# Altium PCB SDR.PcbDoc (part 1 of 5) (continued)
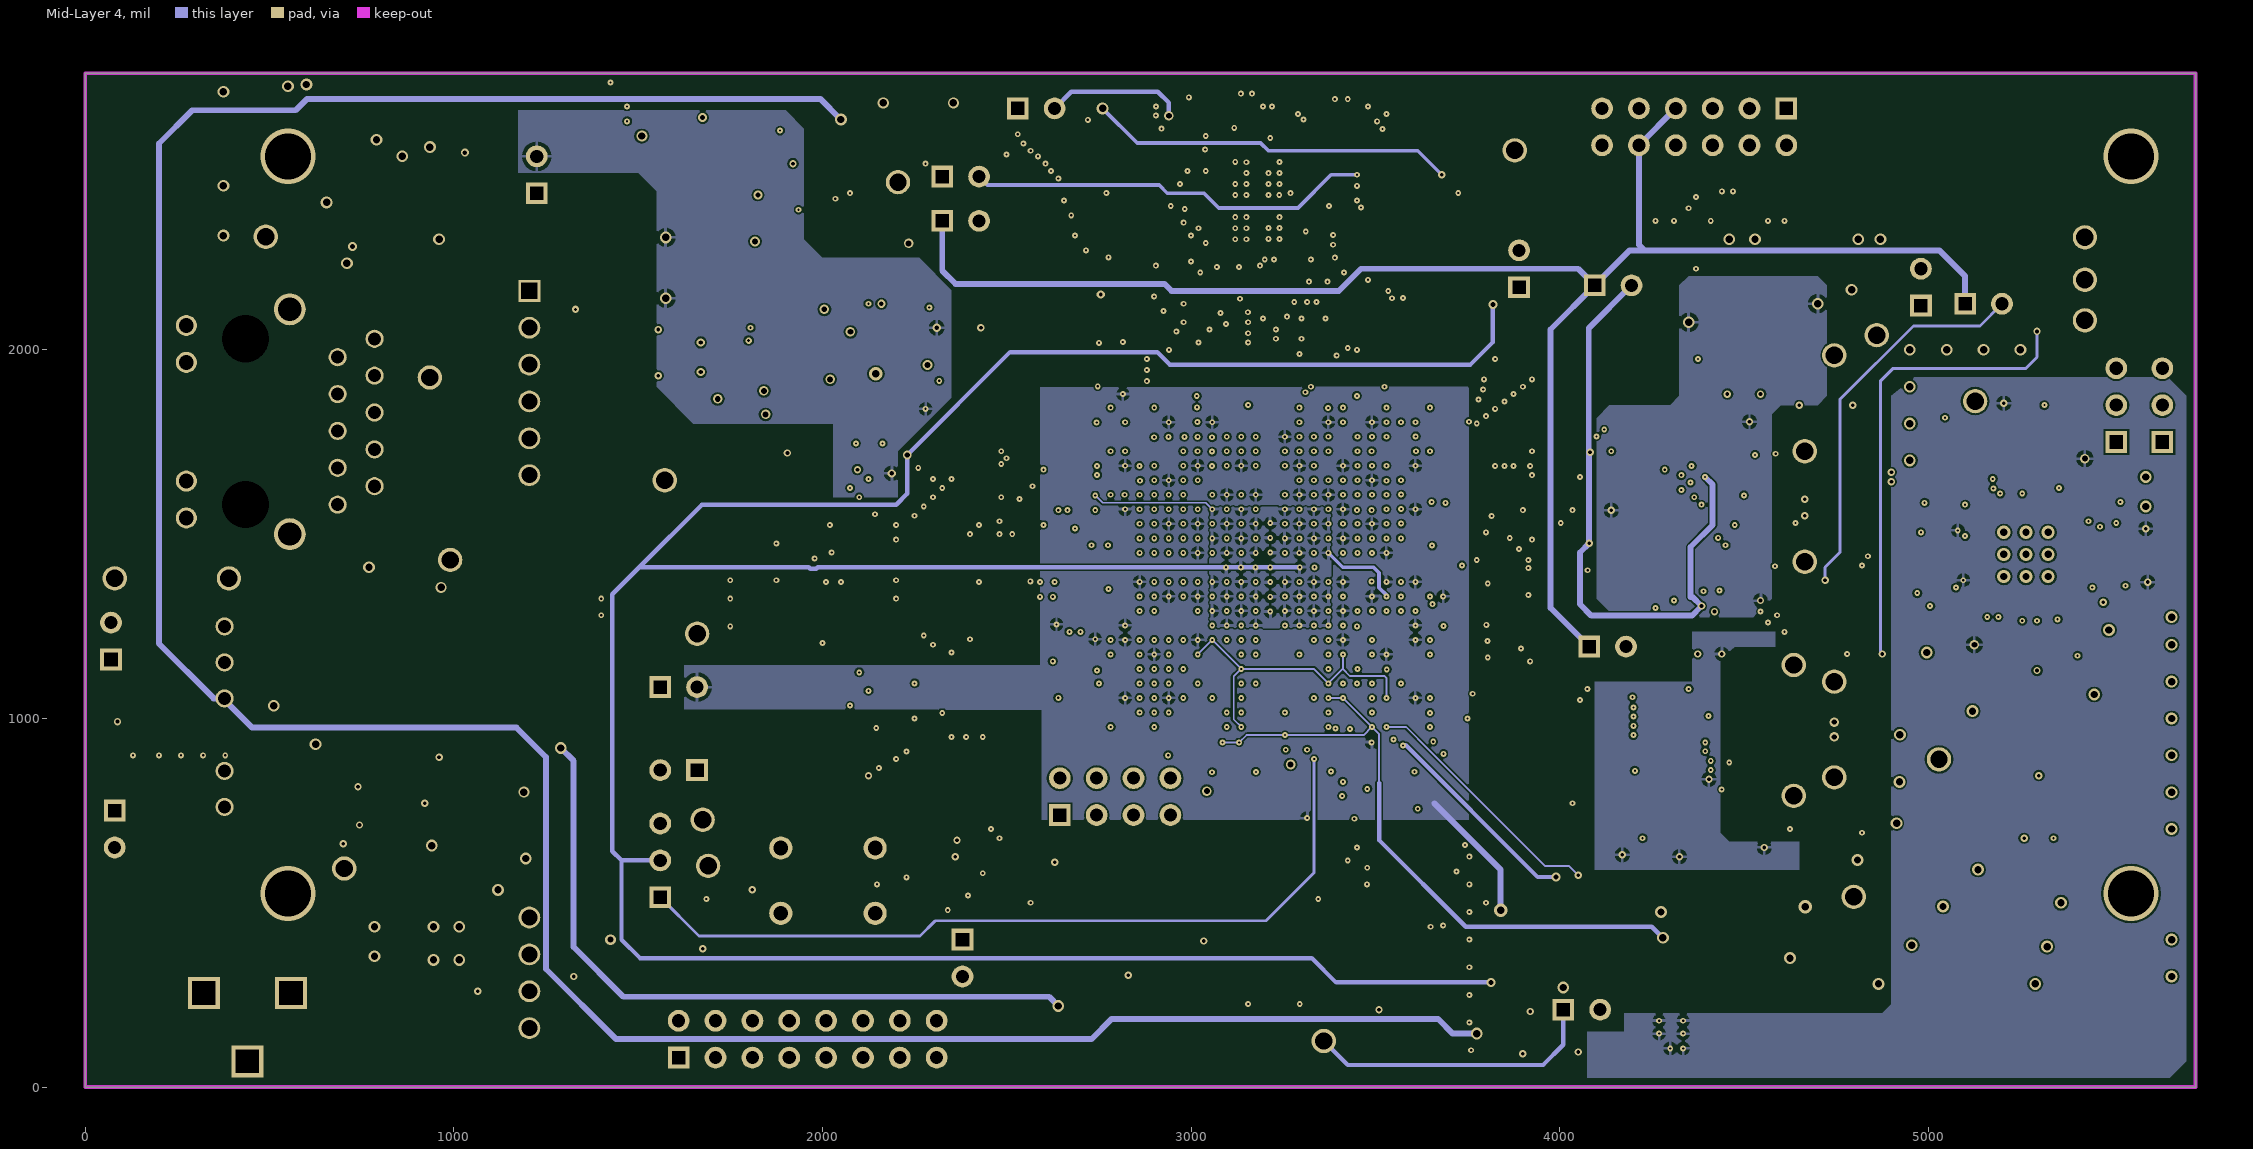
[diagram p5: Mid-Layer 4]

## Layer stack, top to bottom
Top Layer: signal copper 1.6
Dielectric: prepreg 6.68, FR-4, Dk 3.65
Mid-Layer 1: signal copper 1.2
Dielectric: core 14, FR-4, Dk 4.5
Mid-Layer 2: signal copper 1.2
Dielectric: prepreg 8.9, FR-4, Dk 4.02
Mid-Layer 3: signal copper 1.2
Dielectric: core 14, FR-4, Dk 4.5
Mid-Layer 4: signal copper 1.2
Dielectric: prepreg 6.68, FR-4, Dk 3.65
Bottom Layer: signal copper 1.6

## Board outline
0,2750 0,0 5725,0 5725,2750

## Design rules (kind name [scope] priority, off if disabled: settings)
Clearance "Clearance~Sunstone Circuits" [All] p1: gap=5 // Sunstone Circuits Minimum Clearance Rule (MLB~4&6 Layer Designs)
DiffPairsRouting DiffPair_Ethernet_TXDiffPairsRouting [InDifferentialPair ('TD')] p1: maxlimit=10 minlimit=10 mostfreqgap=10 maxuncoupledlength=500
DiffPairsRouting DiffPair_EthernetDiffPairsRouting [InDifferentialPair ('RD')] p2: maxlimit=10 minlimit=10 mostfreqgap=10 maxuncoupledlength=500
DiffPairsRouting DiffPair_ADC_RXDiffPairsRouting [InDifferentialPair ('ADC_RX_Q') Or InDifferentialPair ('ADC_RX_I')] p3: maxlimit=10 minlimit=10 mostfreqgap=10 maxuncoupledlength=500
DiffPairsRouting DiffPair_DAC_TXDiffPairsRouting [InDifferentialPair ('RF_TX_Q') Or InDifferentialPair ('RF_TX_I')] p4: maxlimit=10 minlimit=10 mostfreqgap=10 maxuncoupledlength=500
DiffPairsRouting DiffPair_DAC_biasDiffPairsRouting [InDifferentialPair ('RF_TX_I_BIAS') Or InDifferentialPair ('RF_TX_Q_BIAS')] p5: maxlimit=10 minlimit=10 mostfreqgap=10 maxuncoupledlength=500
DiffPairsRouting [(InDifferentialPairClass('All Differential Pairs'))] p6: maxlimit=10 minlimit=10 mostfreqgap=10 maxuncoupledlength=500
HoleSize "HoleSize~Sunstone Circuits" [All] p1: absolutevalues=TRUE maxlimit=251 minlimit=6 maxpercent=80.000 minpercent=20.000 // Sunstone Circuits Hole Size Rule (MLB~4&6 Layer Designs)
HoleSize Testpoint [All] p2: absolutevalues=TRUE maxlimit=100 minlimit=1 maxpercent=80.000 minpercent=20.000
HoleSize TestPointUsage [All] p3: absolutevalues=TRUE maxlimit=100 minlimit=1 maxpercent=80.000 minpercent=20.000
Length [All] p1: maxlimit=100000 minlimit=0
MatchedLengths DiffPair_Ethernet_TXMatchedLengths [InDifferentialPair ('TD')] p1: tolerance=10 checknetsindiffpair=TRUE checkdiffpairvsdiffpair=FALSE checkothers=FALSE
MatchedLengths DiffPair_EthernetMatchedLengths [InDifferentialPair ('RD')] p2: tolerance=10 checknetsindiffpair=TRUE checkdiffpairvsdiffpair=FALSE checkothers=FALSE
MatchedLengths DiffPair_ADC_RXMatchedLengths [InDifferentialPair ('ADC_RX_Q') Or InDifferentialPair ('ADC_RX_I')] p3: tolerance=5 checknetsindiffpair=TRUE checkdiffpairvsdiffpair=TRUE checkothers=TRUE
MatchedLengths DiffPair_DAC_TXMatchedLengths [InDifferentialPair ('RF_TX_Q') Or InDifferentialPair ('RF_TX_I')] p4 off: tolerance=5 checknetsindiffpair=TRUE checkdiffpairvsdiffpair=TRUE checkothers=TRUE
MatchedLengths DiffPair_DAC_biasMatchedLengths [InDifferentialPair ('RF_TX_I_BIAS') Or InDifferentialPair ('RF_TX_Q_BIAS')] p5 off: tolerance=5 checknetsindiffpair=TRUE checkdiffpairvsdiffpair=TRUE checkothers=TRUE
MaxMinImpedance [InNet('RF_RX_ALT') OR InNet('RF_TX_ALT') OR InNet('RF_SW_UB')] p1: minimum=45.00 maximum=55.00
MinimumAnnularRing "MinimumAnnularRing~Sunstone Circuits" [All] p1: minimumring=5 // Sunstone Circuits Minimum Annular Ring (MLB~4&6 Layer Designs)
MinimumSolderMaskSliver [All] p1 off: minsoldermaskwidth=5
PlaneClearance "PlaneClearance~Sunstone Circuits" [All] p1: clearance=12 // Sunstone Circuits Power Plane Clearance Rule (MLB~4&6 Layer Designs)
PlaneConnect "PlaneConnect~Sunstone Circuits" [All] p1: planeconnectstyle=Relief reliefexpansion=10 reliefentries=4 reliefconductorwidth=8 reliefairgap=10 // Sunstone Circuits Power Plane Connect Rule (MLB~4&6 Layer Designs)
PolygonConnect "PolygonConnect~Sunstone Circuits" [All] p1: connectstyle=Relief reliefconductorwidth=8 reliefentries=4 polygonreliefangle="90 Angle" airgapwidth=10 // Sunstone Circuits Polygon Connect Style (MLB~4&6 Layer Designs)
RoomDefinition U_RTC [InComponentClass('U_RTC')] p1 off: confinementstyle=ConfineIn formatcopy=TRUE lockcomponents=FALSE outline 1600.1,1170.4 1600.1,1290 1719.9,1290 1719.9,1197.2 2428.31,1197.2 2428.31,687.4 5325.75,687.4 5325.75,592.6 4153.46,592.6 4153.46,12.91 4066.54,12.91 4066.54,161.54 3782.91,161.54 1872.28,161.54 1872.28,702.8 1872.28,1170.4
RoomDefinition U_RF_2 [InComponentClass('U_RF_2')] p2 off: confinementstyle=ConfineIn formatcopy=TRUE lockcomponents=FALSE outline 3782.91,161.54 3782.91,248.46 3946.06,248.46 3946.06,273.94 4552.6,273.94 4552.6,1350.75 4619.88,1350.75 4619.88,1370.94 4759.96,1370.94 4759.96,1222.4 5400.75,1222.4 5400.75,1119.37 5411.31,1119.37 5411.31,995.75 5452.4,995.75 5452.4,236.03 5699.69,236.03 5699.69,-264.33 4400.31,-264.33 4400.31,12.91 4066.54,12.91 4066.54,64.25 3927.6,64.25 3927.6,161.54
RoomDefinition U_PWR_Gen [InComponentClass('U_PWR_Gen')] p3 off: confinementstyle=ConfineIn formatcopy=TRUE lockcomponents=FALSE outline 0.79,1006.38 0.79,1073.62 6.06,1073.62 6.06,1323.94 330.4,1323.94 330.4,1439.9 595.79,1439.9 595.79,2363.62 1926.54,2363.62 1926.54,2707.09 2013.46,2707.09 2013.46,2695.75 2332.4,2695.75 2332.4,2657.09 2398.46,2657.09 2398.46,2627.4 2500.75,2627.4 2500.75,2601 3937.9,2601 3937.9,2333.94 3953.94,2333.94 3953.94,2283.94 5043.94,2283.94 5043.94,1921 5186.9,1921 5186.9,1801.4 5088.9,1801.4 5088.9,829.4 4857.9,829.4 4857.9,456.4 4022.4,456.4 4022.4,64.25 3990.71,64.25 3990.71,13.07 624.29,13.07 624.29,3.78 1.35,3.78 1.35,1006.38
RoomDefinition U_ACE [InComponentClass('U_ACE')] p4 off: confinementstyle=ConfineIn formatcopy=TRUE lockcomponents=FALSE outline 3056.54,722.91 3056.54,857.09 3389.25,857.09 3389.25,1952.4 3389.25,2067.4 3474.25,2067.4 3531.54,2067.4 3531.54,2102.09 3618.46,2102.09 3618.46,2072.4 3665.75,2072.4 3665.75,1977.6 3618.46,1977.6 3618.46,1967.91 3440.75,1967.91 3440.75,1857.6 3403.46,1857.6 3403.46,722.91
RoomDefinition U_ADC [InComponentClass('U_ADC')] p5 off: confinementstyle=ConfineIn formatcopy=TRUE lockcomponents=FALSE outline 4031.06,2111.06 4031.06,2238.94 4249.25,2238.94 4249.25,2282.4 4350.75,2282.4 4350.75,2252.4 4715.75,2252.4 4715.75,2153.74 4730.71,2153.74 4730.71,2099.9 4919.6,2099.9 4919.6,1980.1 4855.75,1980.1 4855.75,1852.6 4822.4,1852.6 4822.4,1439.25 4740.75,1439.25 4740.75,697.6 4689.25,697.6 4689.25,1252.6 4434.25,1252.6 4434.25,1360.28 4180.28,1360.28 4180.28,1489.25 4057.6,1489.25 4057.6,1549.25 4042.6,1549.25 4042.6,2111.06
RoomDefinition U_usb_uart [InComponentClass('U_usb_uart')] p6 off: confinementstyle=ConfineIn formatcopy=TRUE lockcomponents=FALSE outline -1.06,2257.75 -1.06,2752.25 353.74,2752.25 353.74,2748.62 539.21,2748.62 539.21,2737.09 738.46,2737.09 738.46,2733.98 1164.57,2733.98 1164.57,825.75 1182.4,825.75 1182.4,774.25 1052.4,774.25 1052.4,744.25 957.6,744.25 957.6,2244.25 747.6,2244.25 747.6,2257.75
RoomDefinition U_RF [InComponentClass('U_RF')] p7 off: confinementstyle=ConfineIn formatcopy=TRUE lockcomponents=FALSE outline 4742.6,1304.25 4742.6,1405.75 4882.6,1405.75 4882.6,1510.75 4982.6,1510.75 4982.6,1530.75 4997.6,1530.75 4997.6,1610.75 5017.6,1610.75 5017.6,1800.75 5037.5,1800.75 5037.5,2187.5 5165.79,2187.5 5165.79,2248.62 5217.91,2248.62 5217.91,2338.46 5365.1,2338.46 5365.1,2365 5484.9,2365 5484.9,2012.5 5697.5,2012.5 5697.5,1687.5 5682.4,1687.5 5682.4,1389.25 5582.4,1389.25 5582.4,1304.25 5470.75,1304.25 5470.75,1237.6 5460.75,1237.6 5460.75,1142.6 5343.46,1142.6 5343.46,867.91 5256.54,867.91 5256.54,1149.25 5227.6,1149.25 5227.6,1229.25 5057.6,1229.25 5057.6,1289.25 5007.6,1289.25 5007.6,1304.25
RoomDefinition U_MSS_IO [InComponentClass('U_MSS_IO')] p8 off: confinementstyle=ConfineIn formatcopy=TRUE lockcomponents=FALSE outline 1630.1,540.4 1630.1,660 1842.55,660 1842.55,693.08 2581.5,693.08 2581.5,900.5 3677.6,900.5 3677.6,1410.75 3677.6,3056.23 4052.5,3056.23 4677.5,3056.23 4677.5,2472.4 4690.75,2472.4 4690.75,2377.6 3802.4,2377.6 3802.4,1304.25 3802.4,762.6 3335.75,762.6 3006.5,762.6 3006.5,675.5 2257.4,675.5 2257.4,574.25 2187.45,574.25 2187.45,426.92 1842.55,426.92 1842.55,540.4
RoomDefinition U_MEM [InComponentClass('U_MEM')] p9 off: confinementstyle=ConfineIn formatcopy=TRUE lockcomponents=FALSE outline 2261.06,2286.06 2261.06,2533.94 2466.06,2533.94 2466.06,2718.94 2692.6,2718.94 2692.6,2720.75 2768.9,2720.75 2768.9,2734.37 3651.1,2734.37 3651.1,2121.85 2768.9,2121.85 2768.9,2152.6 2729.25,2152.6 2729.25,2286.06
RoomDefinition U_Fabric_IO [InComponentClass('U_Fabric_IO')] p10 off: confinementstyle=ConfineIn formatcopy=TRUE lockcomponents=FALSE outline 1492,16.06 1492,243.94 1849.25,243.94 1849.25,597.4 2437.83,597.4 2437.83,598.27 2447.6,598.27 2447.6,635.75 3032.6,635.75 3032.6,645.75 3515.79,645.75 3515.79,658.62 3634.21,658.62 3634.21,650.75 3747.4,650.75 3747.4,149.25 3634.21,149.25 3634.21,66.38 3197.4,66.38 3197.4,59.25 2462.98,59.25 2462.98,16.06
RoomDefinition U_Ethernet [InComponentClass('U_Ethernet')] p11 off: confinementstyle=ConfineIn formatcopy=TRUE lockcomponents=FALSE outline -8.74,1443.77 -8.74,2166.23 756.93,2166.23 756.93,2245.87 1161.06,2245.87 1161.06,2588.94 1444.25,2588.94 1444.25,2607.72 1532.6,2607.72 1532.6,2675.75 1627.4,2675.75 1627.4,2657.64 1805.05,2657.64 1805.05,2580.75 1912.4,2580.75 1912.4,2578.35 2157.4,2578.35 2157.4,2285.75 2262.4,2285.75 2262.4,2234.72 2269.72,2234.72 2269.72,2120.75 2422.4,2120.75 2422.4,908.25 4087.4,908.25 4087.4,830.75 4102.4,830.75 4102.4,779.25 3747.4,779.25 3747.4,374.25 1495.59,374.25 1495.59,11.14 1067.76,11.14 1067.76,6.09 632.24,6.09 632.24,1310.79 201.38,1310.79 201.38,1320.4 20.1,1320.4 20.1,1443.77
RoomDefinition U_Digital_PWR [InComponentClass('U_Digital_PWR')] p12 off: confinementstyle=ConfineIn formatcopy=TRUE lockcomponents=FALSE outline 1496.06,1021.06 1496.06,1148.94 2289.25,1148.94 2289.25,1757.4 2341.54,1757.4 2341.54,1797.09 2710.91,1797.09 2710.91,1914.09 2789.25,1914.09 2789.25,1992.4 2999.25,1992.4 2999.25,1997.4 2999.25,2333.62 4620.79,2333.62 4739.21,2333.62 4739.21,2266.38 4250.75,2266.38 4250.75,287.6 4148.46,287.6 4148.46,267.91 4061.54,267.91 4061.54,331.38 3890.79,331.38 3890.79,757.6 3339.25,757.6 3339.25,822.6 3104.25,822.6 3104.25,832.6 3064.25,832.6 3064.25,867.6 3034.25,867.6 3034.25,872.6 2949.25,872.6 2949.25,905.91 2710.91,905.91 2710.91,1021.06
RoomDefinition U_DAC [InComponentClass('U_DAC')] p13 off: confinementstyle=ConfineIn formatcopy=TRUE lockcomponents=FALSE outline 2049.25,2292.6 2049.25,2387.4 2100.75,2387.4 4243.94,2387.4 4243.94,1258.94 4243.94,1248.62 4469.21,1248.62 4469.21,1247.4 4590.75,1247.4 4590.75,1204.9 4695,1204.9 4695,1159.9 4805,1159.9 4805,1090.75 4872.4,1090.75 4872.4,792.4 4880.75,792.4 4880.75,697.6 4810.75,697.6 4745.87,697.6 4745.87,501.26 4574.29,501.26 4574.29,557.6 4529.25,557.6 4529.25,602.6 4114.25,602.6 4114.25,676.34 4085.39,676.34 4085.39,779.25 4007.6,779.25 4007.6,856.75 3992.6,856.75 3992.6,2292.6
RoomDefinition U_Analog [InComponentClass('U_Analog')] p14 off: confinementstyle=ConfineIn formatcopy=TRUE lockcomponents=FALSE outline 2639.25,1237.6 2639.25,1332.4 4057.6,1332.4 4057.6,1540.75 4152.4,1540.75 4152.4,813.23 4577.92,813.23 4577.92,0.94 3342.08,0.94 3342.08,1237.6
RoutingVias "RoutingVias~Sunstone Circuits" [All] p1: holewidth=6 width=16 viastyle="Through Hole" minholewidth=6 minwidth=16 maxholewidth=20 maxwidth=32 // Sunstone Circuits Routing Vias Rule (MLB~4&6 Layer Designs)
ShortCircuit "ShortCircuit~Sunstone Circuits" [All] p1: allowed=FALSE // Sunstone Circuits Short Circuit Rule~Do Not Allow (MLB~4&6 Layer Designs)
SilkscreenOverComponentPads [All] p1 off: minsilkscreentomaskgap=10
SolderMaskExpansion "Test Point" [(InNet('LD') OR InNet('CLKOUT') or InNet('NRESET'))] p1 off: expansion=3
SolderMaskExpansion "tented vias" [IsVia] p2: expansion=-20 // Sunstone Circuits Solder Mask Expansion Rule (MLB~4&6 Layer Designs)
SolderMaskExpansion "SolderMaskExpansion~Sunstone Circuits" [All] p3: expansion=3 // Sunstone Circuits Solder Mask Expansion Rule (MLB~4&6 Layer Designs)
ViasUnderSMD "ViasUnderSMD~Sunstone Circuits" [All] p1: allowed=FALSE // Sunstone Circuits Vias Under SMD~Do Not Allow (MLB~4&6 Layer Designs)
Width 50ohm [(InNet('RF_RX_ALT') OR InNet('RF_TX_ALT') OR InNet('RF_SW_UB'))] p1: maxlimit=12.4 minlimit=10 preferedwidth=10 toplayer_minwidth=11.4 toplayer_prefwidth=11.9 midlayer1_maxwidth=10 midlayer2_maxwidth=10 midlayer3_maxwidth=10 midlayer4_maxwidth=10 bottomlayer_minwidth=11.4 bottomlayer_prefwidth=11.9 impedancedriven=TRUE minimp=45.000000 maximp=55.000000 favimp=50.000000 checkconnectedcopper=TRUE
Width DiffPair_Ethernet_TXWidth [InDifferentialPair('TD')] p2: maxlimit=10 minlimit=8 preferedwidth=8
Width DiffPair_EthernetWidth [InDifferentialPair('RD')] p3: maxlimit=10 minlimit=8 preferedwidth=10 toplayer_prefwidth=8 midlayer1_minwidth=10 midlayer2_minwidth=10 midlayer3_minwidth=10 midlayer4_minwidth=10 bottomlayer_minwidth=10 minimp=50.000000 maximp=50.000000 favimp=50.000000
Width DiffPair_ADC_RXWidth [InDifferentialPair('ADC_RX_Q') Or InDifferentialPair('ADC_RX_I')] p4: maxlimit=10 minlimit=10 preferedwidth=10
Width DiffPair_DAC_TXWidth [InDifferentialPair('RF_TX_Q') Or InDifferentialPair('RF_TX_I')] p5: maxlimit=10 minlimit=10 preferedwidth=10
Width DiffPair_DAC_biasWidth [InDifferentialPair('RF_TX_I_BIAS') Or InDifferentialPair('RF_TX_Q_BIAS')] p6: maxlimit=10 minlimit=10 preferedwidth=10
Width "Width~Sunstone Circuits" [All] p7: maxlimit=100 minlimit=5 preferedwidth=5 // Sunstone Circuits Minimum Width Rule (MLB~4&6 Layer Designs)
21 further rules are at their usual default settings.

## Classes and differential pairs
net class B[1..7]: B1 B2 B3 B4 B5 B6 B7
component class U_RTC: C189 C190 C191 J34 U22
component class U_RF_2: C181 C182 C183 C184 C185 C186 C187 C188 FB12 J31 J32 J33 P21 R93 R94 R95 U18 U19 U20 U21
component class U_PWR_Gen: C150 C151 C152 C153 C154 C155 C156 C157 C158 C159 C160 C161 C162 C163 C164 C165 C166 C167 C168 C169 C170 C171 C172 C173 C174 C175 C176 C177 C178 C179 C180 D10 FB11 J18 J19 J20 J21 J22 J23 J24 J25 J26 J27 J28 J29 J30 L4 P14 P15 P16 P17 P18 P19 P20 Q1 Q2 R87 R88 R89 R90 R91 R92 SW6 U13 U14 U15 U16 U17
net class EMC_DB[15..0]: EMC_DB0 EMC_DB1 EMC_DB2 EMC_DB3 EMC_DB4 EMC_DB5 EMC_DB6 EMC_DB7 EMC_DB8 EMC_DB9 EMC_DB10 EMC_DB11 EMC_DB12 EMC_DB13 EMC_DB14 EMC_DB15
net class EMC_AB[23..1]: EMC_AB1 EMC_AB2 EMC_AB3 EMC_AB4 EMC_AB5 EMC_AB6 EMC_AB7 EMC_AB8 EMC_AB9 EMC_AB10 EMC_AB11 EMC_AB12 EMC_AB13 EMC_AB14 EMC_AB15 EMC_AB16 EMC_AB17 EMC_AB18 EMC_AB19 EMC_AB20 EMC_AB21 EMC_AB22 EMC_AB23
net class DAC_D[0..7]: DAC_D0 DAC_D1 DAC_D2 DAC_D3 DAC_D4 DAC_D5 DAC_D6 DAC_D7
net class ADC_B[0..7]: ADC_B0 ADC_B1 ADC_B2 ADC_B3 ADC_B4 ADC_B5 ADC_B6 ADC_B7
net class ADC_A[0..7]: ADC_A0 ADC_A1 ADC_A2 ADC_A3 ADC_A4 ADC_A5 ADC_A6 ADC_A7
component class U_usb_uart: C142 C143 C144 C145 C146 C147 C148 C149 D9 FB10 J17 R84 R85 R86 U12
component class U_RF: C116 C117 C118 C119 C120 C121 C122 C123 C124 C125 C126 C127 C128 C129 C130 C131 C132 C133 C134 C135 C136 C137 C138 C139 C140 C141 FB9 J14 J15 J16 P11 P12 P13 R76 R77 R78 R79 R80 R81 R82 R83 U10 U11 Y3
component class U_MSS_IO: C112 C113 C114 C115 J13 P9 P10 R67 R68 R69 R70 R71 R72 R73 R74 R75 SW5
component class U_MEM: C1 C2 C3 C4 P1 P2 P3 R1 U2 U3
component class U_Fabric_IO: D1 D2 D3 D4 D5 D6 D7 D8 P8 R55 R56 R57 R58 R59 R60 R61 R62 R63 R64 R65 R66 SW1 SW2 SW3 SW4
component class U_Ethernet: C90 C91 C92 C93 C94 C95 C96 C97 C98 C99 C100 C101 C102 C103 C104 C105 C106 C107 C108 C109 C110 C111 FB6 FB7 FB8 J10 J11 J12 M1 P7 R19 R20 R21 R22 R23 R24 R25 R26 R27 R28 R29 R30 R31 R32 R33 R34 R35 R36 R37 R38 R39 R40 R41 R42 R43 R44 R45 R46 R47 R48 R49 R50 R51 R52 R53 R54 U8 U9 Y2
component class U_Digital_PWR: C5 C6 C7 C8 C9 C10 C11 C12 C13 C14 C15 C16 C17 C18 C19 C20 C21 C22 C23 C24 C25 C26 C27 C28 C29 C30 C31 C32 C33 C34 C35 C36 C37 C38 C39 C40 C41 C42 C43 C44 C45 C46 FB1 FB2 FB3 L1 P4 U1
component class U_DAC: C75 C76 C77 C78 C79 C80 C81 C82 C83 C84 C85 C86 C87 C88 C89 FB5 J6 J7 J8 J9 P6 R11 R12 R13 R14 R15 R16 R17 R18 U6 U7
component class U_Analog: C71 C72 C73 C74 J5 L3 Y1
component class U_ADC: C54 C55 C56 C57 C58 C59 C60 C61 C62 C63 C64 C65 C66 C67 C68 C69 C70 FB4 J1 J2 J3 J4 P5 R2 R3 R4 R5 R6 R7 R8 R9 R10 U4 U5
component class U_ACE: C47 C48 C49 C50 C51 C52 C53 L2
differential pair USB_D: +USB_D_P -USB_D_N
differential pair RF_TX_Q: +RF_TX_Q_P -RF_TX_Q_N
differential pair RF_TX_Q_BIAS: +RF_TX_Q_BIAS_P -RF_TX_Q_BIAS_N
differential pair RF_TX_I: +RF_TX_I_P -RF_TX_I_N
differential pair RF_TX_I_BIAS: +RF_TX_I_BIAS_P -RF_TX_I_BIAS_N
differential pair ADC_RX_Q: +ADC_RX_Q_P -ADC_RX_Q_N
differential pair ADC_RX_Q_BIAS: +ADC_RX_Q_BIAS_P -ADC_RX_Q_BIAS_N
differential pair ADC_RX_I: +ADC_RX_I_P -ADC_RX_I_N
differential pair ADC_RX_I_BIAS: +ADC_RX_I_BIAS_P -ADC_RX_I_BIAS_N
differential pair TD: +TD_P -TD_N
differential pair RD: +RD_P -RD_N
differential pair RXRF: +RXRF_P -RXRF_N
differential pair TXRF_C: +TXRF_C_P -TXRF_C_N
differential pair TXRF: +TXRF_P -TXRF_N

## Components (designator, comment, footprint, x,y, rotation, side; value= is the part's Value field where it differs from the comment)
C1 "0.1uF" 0402 2755,2200 r90 top
C2 "0.1uF" 0402 2740,2695 r0 top
C3 "0.1uF" 0402 3370,2450 r90 bottom
C4 "0.1uF" 0402 2970,2420 r0 bottom
C5 "100pF" 0402 4225,335 r90 top
C6 "0.1uF" 0402 4175,335 r90 top
C7 "10uF" C0805 4105,335 r270 top
C8 "10uF" C0805 2385,1730 r90 bottom
C9 "0.1uF" 0402 2455,1710 r270 bottom
C10 "100pF" 0402 2745,1740 r270 bottom
C11 "100pF" 0402 4175,480 r90 top
C12 "0.1uF" 0402 4225,480 r90 top
C13 "10uF" C0805 4105,480 r270 top
C14 "0.1uF" 0402 2665,1720 r0 top
C15 "0.1uF" 0402 2975,920 r90 bottom
C16 "0.1uF" 0402 2680,1185 r0 top
C17 "0.1uF" 0402 2710,1055 r0 bottom
C18 "0.1uF" 0402 2815,1945 r270 top
C19 "0.1uF" 0402 3245,1930 r270 bottom
C20 "0.1uF" 0402 3744,1035 r180 bottom
C21 "0.1uF" 0402 3750,1210 r180 top
C22 "0.1uF" 0402 3745,1165 r180 top
C23 "0.1uF" 0402 3490,875 r90 top
C24 "0.1uF" 0402 2585,1255 r0 top
C25 "0.1uF" 0402 2680,1645 r0 top
C26 "0.1uF" 0402 2690,1370 r0 bottom
C27 "0.1uF" 0402 2680,1155 r0 bottom
C28 "0.1uF" 0402 3075,1950 r270 top
C29 "0.1uF" 0402 3595,1900 r180 bottom
C30 "0.1uF" 0402 3745,1685 r180 top
C31 "0.1uF" 0402 3750,1555 r180 top
C32 "0.1uF" 0402 3060,915 r90 bottom
C33 "0.1uF" 0402 3155,915 r90 bottom
C34 "0.1uF" 0402 3205,915 r90 bottom
C35 "0.1uF" 0402 3380,915 r90 bottom
C36 "0.1uF" 0402 2680,1605 r0 top
C37 "0.1uF" 0402 3025,1950 r270 top
C38 "0.1uF" 0402 3755,1255 r180 top
C39 "0.1uF" 0402 3130,870 r90 top
C40 "0.1uF" 0402 3530,875 r90 top
C41 "0.1uF" 0402 3090,880 r90 top
C42 "0.1uF" 0402 3285,935 r90 bottom
C43 "0.1uF" 0402 3575,875 r90 top
C44 "0.1uF" 0402 3020,920 r90 bottom
C45 "0.1uF" 0402 3365,805 r90 top
C46 "0.1uF" 0402 3450,910 r90 bottom
C47 "10uF" C0805 3100,790 r270 bottom
C48 "10uF" C0805 3190,790 r270 top
C49 "10uF" C0805 3360,790 r270 bottom
C50 "100pF" 0402 3415,1905 r270 bottom
C51 "0.1uF" 0402 3500,2020 r270 bottom
C52 "10uF" C0805 3575,2035 r90 bottom
C53 "10uF" C0805 3250,790 r270 bottom
C54 "100pF" 0402 4275,2235 r270 top
C55 "0.1uF" 0402 4325,2235 r270 top
C56 "100pF" 0402 4450,2135 r180 bottom
C57 "0.1uF" 0402 4450,2185 r180 bottom
C58 "0.1uF" 0402 4690,2205 r270 bottom
C59 "0.1uF" 0402 4460,1300 r270 top
C60 "0.1uF" 0402 4515,1300 r90 top
C61 "0.1uF" 0402 4500,2005 r0 bottom
C62 "0.01uF" 0402 4775,1465 r180 top
C63 "0.01uF" 0402 4775,1525 r180 top
C64 "0.1uF" 0402 4105,1635 r0 top
C65 "0.1uF" 0402 4090,1575 r0 top
C66 "0.01uF" 0402 4775,1625 r180 top
C67 "0.1uF" 0402 4105,1515 r0 top
C68 "0.01uF" 0402 4775,1685 r180 top
C69 "0.1uF" 0402 4545,1825 r270 top
C70 "0.1uF" 0402 4455,1825 r270 top
C71 "0.1uF" 0402 2710,1285 r90 bottom
C72 "18pF" 0402 3510,715 r90 bottom
C73 "18pF" 0402 3785,850 r180 bottom
C74 "0.1uF" 0402 3610,925 r90 bottom
C75 "100pF" 0402 4260,1200 r90 top
C76 "0.1uF" 0402 4315,1200 r90 top
C77 "100pF" 0402 4500,1200 r90 top
C78 "0.1uF" 0402 4565,1200 r90 top
C79 "0.1uF" 0402 4555,605 r90 bottom
C80 "0.1uF" 0402 4855,745 r90 bottom
C81 "0.01uF" 0402 4655,875 r0 top
C82 "0.01uF" 0402 4655,935 r0 top
C83 "0.01uF" 0402 4655,1005 r0 top
C84 "0.01uF" 0402 4655,1065 r0 top
C85 "0.1uF" 0402 4355,650 r90 top
C86 "0.1uF" 0402 4140,650 r90 top
C87 "0.1uF" 0402 4055,805 r0 top
C88 "0.1uF" 0402 4460,840 r0 bottom
C89 "0.1uF" 0402 4040,882.5 r180 top
C90 "100pF" 0402 1400,2560.32 r270 bottom
C91 "0.1uF" 0402 1470,2560.32 r270 bottom
C92 "10uF" C0805 1325,2560.32 r90 bottom
C93 "0.1uF" 0402 1535,1960 r180 bottom
C94 "0.1uF" 0402 1535,2020 r180 bottom
C95 "0.1uF" 0402 2135,2050 r0 bottom
C96 "0.1uF" 0402 2135,2090 r0 bottom
C97 "22uF" C0805 2235,1780 r0 bottom
C98 "100pF" 0402 2215,1960 r180 bottom
C99 "0.1uF" 0402 2215,1905 r180 bottom
C100 "0.1uF" 0402 2215,1840 r180 bottom
C101 "22uF" C0805 1930.31,1825 r180 bottom
C102 "100pF" 0402 1950.31,1965 r0 bottom
C103 "0.1uF" 0402 1950,2055 r0 bottom
C104 "0.1uF" 0402 1950,1905 r0 bottom
C105 "0.1uF" 0402 1875,2250 r0 top
C106 "0.1uF" 0402 2375,2060 r180 top
C107 "1nF" 0402 305,1380 r90 bottom
C108 "0.1uF" 0402 1750,2305 r180 bottom
C109 "0.1uF" 0402 1710,2610 r270 top
C110 "0.1uF" 0402 1580,2650 r0 top
C111 "470uF" "SMT Al Cap." 850,275 r0 top locked
C112 "0.01uF" 0402 1825,590 r90 top
C113 "100pF" 0402 3755,1370 r180 top
C114 "0.1uF" 0402 3755,1330 r180 top
C115 "0.1uF" 0402 3725,1385 r180 bottom
C116 "100pF" 0402 5005,1365 r180 top
C117 "0.01uF" 0402 4930,1485 r180 top
C118 "0.01uF" 0402 5030,1505 r180 top
C119 "100pF" 0402 4790,1380 r180 bottom
C120 "0.1uF" 0402 4790,1330 r180 bottom
C121 "100pF" 0402 5330,2085 r180 bottom
C122 "0.1uF" 0402 5330,2150 r180 bottom
C123 "10uF" C0805 5285,2295 r0 bottom
C124 "100pF" 0402 5105,1255 r0 top
C125 "0.1uF" 0402 5065,1675 r180 top
C126 "68pF" 0402 5155,1725 r0 top